# KiCad board poly_kb_molecule_16x5.kicad_pcb (continued)
## Nets (continued)
/Keyboard/sheet605ED2EB/CS: J1.10 J1#2.10 J1#3.10 J1#4.10 J1#5.10 J1#6.10 J1#7.10 J1#8.10 J1#9.10 J1#10.10 J1#11.10 J1#12.10 J1#13.10 J1#14.10 J1#15.10 J1#16.10 J1#17.10 J1#18.10 J1#19.10 J1#20.10 J1#21.10 J1#22.10 J1#23.10 J1#24.10 J1#25.10 J1#26.10 J1#27.10 J1#28.10 J1#29.10 J1#30.10 J1#31.10 J1#32.10 J1#33.10 J1#34.10 J1#35.10 J1#36.10 J1#37.10 J1#38.10 J1#39.10 J1#40.10 J1#41.10 J1#42.10 J1#43.10 J1#44.10 J1#45.10 J1#46.10 J1#47.10 J1#48.10 J1#49.10 J1#50.10 J1#51.10 J1#52.10 J1#53.10 J1#54.10 J1#55.10 J1#56.10 J1#57.10 J1#58.10 J1#59.10 J1#60.10 J1#61.10 J1#62.10 J1#63.10 J1#64.10 J1#65.10 J1#66.10 J1#67.10 J1#68.10 J1#69.10 J1#70.10 J1#71.10 J1#72.10 J1#73.10 J1#74.10 J1#75.10 J1#76.10 J1#77.10 J1#78.10 J1#79.10 J1#80.10 J5.10 J5#2.10 J5#3.10 J5#4.10 J5#5.10 J5#6.10 J5#7.10 J5#8.10 J5#9.10 J5#10.10 J5#11.10 J5#12.10 J5#13.10 J5#14.10 J5#15.10 J5#16.10 J5#17.10 J5#18.10 J5#19.10 J5#20.10 J5#21.10 J5#22.10 J5#23.10 J5#24.10 J5#25.10 J5#26.10 J5#27.10 J5#28.10 J5#29.10 J5#30.10 J5#31.10 J5#32.10 J5#33.10 J5#34.10 J5#35.10 J5#36.10 J5#37.10 J5#38.10 J5#39.10 J5#40.10 J5#41.10 J5#42.10 J5#43.10 J5#44.10 J5#45.10 J5#46.10 J5#47.10 J5#48.10 J5#49.10 J5#50.10 J5#51.10 J5#52.10 J5#53.10 J5#54.10 J5#55.10 J5#56.10 J5#57.10 J5#58.10 J5#59.10 J5#60.10 J5#61.10 J5#62.10 J5#63.10 J5#64.10 J5#65.10 J5#66.10 J5#67.10 J5#68.10 J5#69.10 J5#70.10 J5#71.10 J5#72.10 J5#73.10 J5#74.10 J5#75.10 J5#76.10 J5#77.10 J5#78.10 J5#79.10 J5#80.10 R1.2 R1#2.2 R1#3.2 R1#4.2 R1#5.2 R1#6.2 R1#7.2 R1#8.2 R1#9.2 R1#10.2 R1#11.2 R1#12.2 R1#13.2 R1#14.2 R1#15.2 R1#16.2 R1#17.2 R1#18.2 R1#19.2 R1#20.2 R1#21.2 R1#22.2 R1#23.2 R1#24.2 R1#25.2 R1#26.2 R1#27.2 R1#28.2 R1#29.2 R1#30.2 R1#31.2 R1#32.2 R1#33.2 R1#34.2 R1#35.2 R1#36.2 R1#37.2 R1#38.2 R1#39.2 R1#40.2 R1#41.2 R1#42.2 R1#43.2 R1#44.2 R1#45.2 R1#46.2 R1#47.2 R1#48.2 R1#49.2 R1#50.2 R1#51.2 R1#52.2 R1#53.2 R1#54.2 R1#55.2 R1#56.2 R1#57.2 R1#58.2 R1#59.2 R1#60.2 R1#61.2 R1#62.2 R1#63.2 R1#64.2 R1#65.2 R1#66.2 R1#67.2 R1#68.2 R1#69.2 R1#70.2 R1#71.2 R1#72.2 R1#73.2 R1#74.2 R1#75.2 R1#76.2 R1#77.2 R1#78.2 R1#79.2 R1#80.2
/Keyboard/sheet605ED2EB/D-C: J1.12 J1#2.12 J1#3.12 J1#4.12 J1#5.12 J1#6.12 J1#7.12 J1#8.12 J1#9.12 J1#10.12 J1#11.12 J1#12.12 J1#13.12 J1#14.12 J1#15.12 J1#16.12 J1#17.12 J1#18.12 J1#19.12 J1#20.12 J1#21.12 J1#22.12 J1#23.12 J1#24.12 J1#25.12 J1#26.12 J1#27.12 J1#28.12 J1#29.12 J1#30.12 J1#31.12 J1#32.12 J1#33.12 J1#34.12 J1#35.12 J1#36.12 J1#37.12 J1#38.12 J1#39.12 J1#40.12 J1#41.12 J1#42.12 J1#43.12 J1#44.12 J1#45.12 J1#46.12 J1#47.12 J1#48.12 J1#49.12 J1#50.12 J1#51.12 J1#52.12 J1#53.12 J1#54.12 J1#55.12 J1#56.12 J1#57.12 J1#58.12 J1#59.12 J1#60.12 J1#61.12 J1#62.12 J1#63.12 J1#64.12 J1#65.12 J1#66.12 J1#67.12 J1#68.12 J1#69.12 J1#70.12 J1#71.12 J1#72.12 J1#73.12 J1#74.12 J1#75.12 J1#76.12 J1#77.12 J1#78.12 J1#79.12 J1#80.12 J3.7 J3#2.7 J3#3.7 J3#4.7 J3#5.7 J3#6.7 J3#7.7 J3#8.7 J3#9.7 J3#10.7 J3#11.7 J3#12.7 J3#13.7 J3#14.7 J3#15.7 J3#16.7 J3#17.7 J3#18.7 J3#19.7 J3#20.7 J3#21.7 J3#22.7 J3#23.7 J3#24.7 J3#25.7 J3#26.7 J3#27.7 J3#28.7 J3#29.7 J3#30.7 J3#31.7 J3#32.7 J3#33.7 J3#34.7 J3#35.7 J3#36.7 J3#37.7 J3#38.7 J3#39.7 J3#40.7 J3#41.7 J3#42.7 J3#43.7 J3#44.7 J3#45.7 J3#46.7 J3#47.7 J3#48.7 J3#49.7 J3#50.7 J3#51.7 J3#52.7 J3#53.7 J3#54.7 J3#55.7 J3#56.7 J3#57.7 J3#58.7 J3#59.7 J3#60.7 J3#61.7 J3#62.7 J3#63.7 J3#64.7 J3#65.7 J3#66.7 J3#67.7 J3#68.7 J3#69.7 J3#70.7 J3#71.7 J3#72.7 J3#73.7 J3#74.7 J3#75.7 J3#76.7 J3#77.7 J3#78.7 J3#79.7 J3#80.7 J4.7 J4#2.7 J4#3.7 J4#4.7 J4#5.7 J4#6.7 J4#7.7 J4#8.7 J4#9.7 J4#10.7 J4#11.7 J4#12.7 J4#13.7 J4#14.7 J4#15.7 J4#16.7 J4#17.7 J4#18.7 J4#19.7 J4#20.7 J4#21.7 J4#22.7 J4#23.7 J4#24.7 J4#25.7 J4#26.7 J4#27.7 J4#28.7 J4#29.7 J4#30.7 J4#31.7 J4#32.7 J4#33.7 J4#34.7 J4#35.7 J4#36.7 J4#37.7 J4#38.7 J4#39.7 J4#40.7 J4#41.7 J4#42.7 J4#43.7 J4#44.7 J4#45.7 J4#46.7 J4#47.7 J4#48.7 J4#49.7 J4#50.7 J4#51.7 J4#52.7 J4#53.7 J4#54.7 J4#55.7 J4#56.7 J4#57.7 J4#58.7 J4#59.7 J4#60.7 J4#61.7 J4#62.7 J4#63.7 J4#64.7 J4#65.7 J4#66.7 J4#67.7 J4#68.7 J4#69.7 J4#70.7 J4#71.7 J4#72.7 J4#73.7 J4#74.7 J4#75.7 J4#76.7 J4#77.7 J4#78.7 J4#79.7 J4#80.7
/Keyboard/sheet605ED2EB/KeyCol: D1.1 D1#2.1 D1#3.1 D1#4.1 D1#5.1 D1#6.1 D1#7.1 D1#8.1 D1#9.1 D1#10.1 D1#11.1 D1#12.1 D1#13.1 D1#14.1 D1#15.1 D1#16.1 D1#17.1 D1#18.1 D1#19.1 D1#20.1 D1#21.1 D1#22.1 D1#23.1 D1#24.1 D1#25.1 D1#26.1 D1#27.1 D1#28.1 D1#29.1 D1#30.1 D1#31.1 D1#32.1 D1#33.1 D1#34.1 D1#35.1 D1#36.1 D1#37.1 D1#38.1 D1#39.1 D1#40.1 D1#41.1 D1#42.1 D1#43.1 D1#44.1 D1#45.1 D1#46.1 D1#47.1 D1#48.1 D1#49.1 D1#50.1 D1#51.1 D1#52.1 D1#53.1 D1#54.1 D1#55.1 D1#56.1 D1#57.1 D1#58.1 D1#59.1 D1#60.1 D1#61.1 D1#62.1 D1#63.1 D1#64.1 D1#65.1 D1#66.1 D1#67.1 D1#68.1 D1#69.1 D1#70.1 D1#71.1 D1#72.1 D1#73.1 D1#74.1 D1#75.1 D1#76.1 D1#77.1 D1#78.1 D1#79.1 D1#80.1 J2.1 J2#2.1 J2#3.1 J2#4.1 J2#5.1 J2#6.1 J2#7.1 J2#8.1 J2#9.1 J2#10.1 J2#11.1 J2#12.1 J2#13.1 J2#14.1 J2#15.1 J2#16.1 J7.1 J7#2.1 J7#3.1 J7#4.1 J7#5.1 J7#6.1 J7#7.1 J7#8.1 J7#9.1 J7#10.1 J7#11.1 J7#12.1 J7#13.1 J7#14.1 J7#15.1 J7#16.1 J8.1 J8#2.1 J8#3.1 J8#4.1 J8#5.1 J8#6.1 J8#7.1 J8#8.1 J8#9.1 J8#10.1 J8#11.1 J8#12.1 J8#13.1 J8#14.1 J8#15.1 J8#16.1 J9.1 J9#2.1 J9#3.1 J9#4.1 J9#5.1 J9#6.1 J9#7.1 J9#8.1 J9#9.1 J9#10.1 J9#11.1 J9#12.1 J9#13.1 J9#14.1 J9#15.1 J9#16.1
/Keyboard/sheet605ED2EB/KeyRow: J3.9 J3#2.9 J3#3.9 J3#4.9 J3#5.9 J3#6.9 J3#7.9 J3#8.9 J3#9.9 J3#10.9 J3#11.9 J3#12.9 J3#13.9 J3#14.9 J3#15.9 J3#16.9 J3#17.9 J3#18.9 J3#19.9 J3#20.9 J3#21.9 J3#22.9 J3#23.9 J3#24.9 J3#25.9 J3#26.9 J3#27.9 J3#28.9 J3#29.9 J3#30.9 J3#31.9 J3#32.9 J3#33.9 J3#34.9 J3#35.9 J3#36.9 J3#37.9 J3#38.9 J3#39.9 J3#40.9 J3#41.9 J3#42.9 J3#43.9 J3#44.9 J3#45.9 J3#46.9 J3#47.9 J3#48.9 J3#49.9 J3#50.9 J3#51.9 J3#52.9 J3#53.9 J3#54.9 J3#55.9 J3#56.9 J3#57.9 J3#58.9 J3#59.9 J3#60.9 J3#61.9 J3#62.9 J3#63.9 J3#64.9 J3#65.9 J3#66.9 J3#67.9 J3#68.9 J3#69.9 J3#70.9 J3#71.9 J3#72.9 J3#73.9 J3#74.9 J3#75.9 J3#76.9 J3#77.9 J3#78.9 J3#79.9 J3#80.9 J4.9 J4#2.9 J4#3.9 J4#4.9 J4#5.9 J4#6.9 J4#7.9 J4#8.9 J4#9.9 J4#10.9 J4#11.9 J4#12.9 J4#13.9 J4#14.9 J4#15.9 J4#16.9 J4#17.9 J4#18.9 J4#19.9 J4#20.9 J4#21.9 J4#22.9 J4#23.9 J4#24.9 J4#25.9 J4#26.9 J4#27.9 J4#28.9 J4#29.9 J4#30.9 J4#31.9 J4#32.9 J4#33.9 J4#34.9 J4#35.9 J4#36.9 J4#37.9 J4#38.9 J4#39.9 J4#40.9 J4#41.9 J4#42.9 J4#43.9 J4#44.9 J4#45.9 J4#46.9 J4#47.9 J4#48.9 J4#49.9 J4#50.9 J4#51.9 J4#52.9 J4#53.9 J4#54.9 J4#55.9 J4#56.9 J4#57.9 J4#58.9 J4#59.9 J4#60.9 J4#61.9 J4#62.9 J4#63.9 J4#64.9 J4#65.9 J4#66.9 J4#67.9 J4#68.9 J4#69.9 J4#70.9 J4#71.9 J4#72.9 J4#73.9 J4#74.9 J4#75.9 J4#76.9 J4#77.9 J4#78.9 J4#79.9 J4#80.9 SW1.1 SW1#2.1 SW1#3.1 SW1#4.1 SW1#5.1 SW1#6.1 SW1#7.1 SW1#8.1 SW1#9.1 SW1#10.1 SW1#11.1 SW1#12.1 SW1#13.1 SW1#14.1 SW1#15.1 SW1#16.1 SW1#17.1 SW1#18.1 SW1#19.1 SW1#20.1 SW1#21.1 SW1#22.1 SW1#23.1 SW1#24.1 SW1#25.1 SW1#26.1 SW1#27.1 SW1#28.1 SW1#29.1 SW1#30.1 SW1#31.1 SW1#32.1 SW1#33.1 SW1#34.1 SW1#35.1 SW1#36.1 SW1#37.1 SW1#38.1 SW1#39.1 SW1#40.1 SW1#41.1 SW1#42.1 SW1#43.1 SW1#44.1 SW1#45.1 SW1#46.1 SW1#47.1 SW1#48.1 SW1#49.1 SW1#50.1 SW1#51.1 SW1#52.1 SW1#53.1 SW1#54.1 SW1#55.1 SW1#56.1 SW1#57.1 SW1#58.1 SW1#59.1 SW1#60.1 SW1#61.1 SW1#62.1 SW1#63.1 SW1#64.1 SW1#65.1 SW1#66.1 SW1#67.1 SW1#68.1 SW1#69.1 SW1#70.1 SW1#71.1 SW1#72.1 SW1#73.1 SW1#74.1 SW1#75.1 SW1#76.1 SW1#77.1 SW1#78.1 SW1#79.1 SW1#80.1
/Keyboard/sheet605ED2EB/LED_DIN: J3.4 J3#2.4 J3#3.4 J3#4.4 J3#5.4 J3#6.4 J3#7.4 J3#8.4 J3#9.4 J3#10.4 J3#11.4 J3#12.4 J3#13.4 J3#14.4 J3#15.4 J3#16.4 J3#17.4 J3#18.4 J3#19.4 J3#20.4 J3#21.4 J3#22.4 J3#23.4 J3#24.4 J3#25.4 J3#26.4 J3#27.4 J3#28.4 J3#29.4 J3#30.4 J3#31.4 J3#32.4 J3#33.4 J3#34.4 J3#35.4 J3#36.4 J3#37.4 J3#38.4 J3#39.4 J3#40.4 J3#41.4 J3#42.4 J3#43.4 J3#44.4 J3#45.4 J3#46.4 J3#47.4 J3#48.4 J3#49.4 J3#50.4 J3#51.4 J3#52.4 J3#53.4 J3#54.4 J3#55.4 J3#56.4 J3#57.4 J3#58.4 J3#59.4 J3#60.4 J3#61.4 J3#62.4 J3#63.4 J3#64.4 J3#65.4 J3#66.4 J3#67.4 J3#68.4 J3#69.4 J3#70.4 J3#71.4 J3#72.4 J3#73.4 J3#74.4 J3#75.4 J3#76.4 J3#77.4 J3#78.4 J3#79.4 J3#80.4 J4.4 J4#2.4 J4#3.4 J4#4.4 J4#5.4 J4#6.4 J4#7.4 J4#8.4 J4#9.4 J4#10.4 J4#11.4 J4#12.4 J4#13.4 J4#14.4 J4#15.4 J4#16.4 J4#17.4 J4#18.4 J4#19.4 J4#20.4 J4#21.4 J4#22.4 J4#23.4 J4#24.4 J4#25.4 J4#26.4 J4#27.4 J4#28.4 J4#29.4 J4#30.4 J4#31.4 J4#32.4 J4#33.4 J4#34.4 J4#35.4 J4#36.4 J4#37.4 J4#38.4 J4#39.4 J4#40.4 J4#41.4 J4#42.4 J4#43.4 J4#44.4 J4#45.4 J4#46.4 J4#47.4 J4#48.4 J4#49.4 J4#50.4 J4#51.4 J4#52.4 J4#53.4 J4#54.4 J4#55.4 J4#56.4 J4#57.4 J4#58.4 J4#59.4 J4#60.4 J4#61.4 J4#62.4 J4#63.4 J4#64.4 J4#65.4 J4#66.4 J4#67.4 J4#68.4 J4#69.4 J4#70.4 J4#71.4 J4#72.4 J4#73.4 J4#74.4 J4#75.4 J4#76.4 J4#77.4 J4#78.4 J4#79.4 J4#80.4 LED1.2 LED1.4 LED1#2.2 LED1#2.4 LED1#3.2 LED1#3.4 LED1#4.2 LED1#4.4 LED1#5.2 LED1#5.4 LED1#6.2 LED1#6.4 LED1#7.2 LED1#7.4 LED1#8.2 LED1#8.4 LED1#9.2 LED1#9.4 LED1#10.2 LED1#10.4 LED1#11.2 LED1#11.4 LED1#12.2 LED1#12.4 LED1#13.2 LED1#13.4 LED1#14.2 LED1#14.4 LED1#15.2 LED1#15.4 LED1#16.2 LED1#16.4 LED1#17.2 LED1#17.4 LED1#18.2 LED1#18.4 LED1#19.2 LED1#19.4 LED1#20.2 LED1#20.4 LED1#21.2 LED1#21.4 LED1#22.2 LED1#22.4 LED1#23.2 LED1#23.4 LED1#24.2 LED1#24.4 LED1#25.2 LED1#25.4 LED1#26.2 LED1#26.4 LED1#27.2 LED1#27.4 LED1#28.2 LED1#28.4 LED1#29.2 LED1#29.4 LED1#30.2 LED1#30.4 LED1#31.2 LED1#31.4 LED1#32.2 LED1#32.4 LED1#33.2 LED1#33.4 LED1#34.2 LED1#34.4 LED1#35.2 LED1#35.4 LED1#36.2 LED1#36.4 LED1#37.2 LED1#37.4 LED1#38.2 LED1#38.4 LED1#39.2 LED1#39.4 LED1#40.2 LED1#40.4 LED1#41.2 LED1#41.4 LED1#42.2 LED1#42.4 LED1#43.2 LED1#43.4 LED1#44.2 LED1#44.4 LED1#45.2 LED1#45.4 LED1#46.2 LED1#46.4 LED1#47.2 LED1#47.4 LED1#48.2 LED1#48.4 LED1#49.2 LED1#49.4 LED1#50.2 LED1#50.4 LED1#51.2 LED1#51.4 LED1#52.2 LED1#52.4 LED1#53.2 LED1#53.4 LED1#54.2 LED1#54.4 LED1#55.2 LED1#55.4 LED1#56.2 LED1#56.4 LED1#57.2 LED1#57.4 LED1#58.2 LED1#58.4 LED1#59.2 LED1#59.4 LED1#60.2 LED1#60.4 LED1#61.2 LED1#61.4 LED1#62.2 LED1#62.4 LED1#63.2 LED1#63.4 LED1#64.2 LED1#64.4 LED1#65.2 LED1#65.4 LED1#66.2 LED1#66.4 LED1#67.2 LED1#67.4 LED1#68.2 LED1#68.4 LED1#69.2 LED1#69.4 LED1#70.2 LED1#70.4 LED1#71.2 LED1#71.4 LED1#72.2 LED1#72.4 LED1#73.2 LED1#73.4 LED1#74.2 LED1#74.4 LED1#75.2 LED1#75.4 LED1#76.2 LED1#76.4 LED1#77.2 LED1#77.4 LED1#78.2 LED1#78.4 LED1#79.2 LED1#79.4 LED1#80.2 LED1#80.4
/Keyboard/sheet605ED2EB/RESET: J1.11 J1#2.11 J1#3.11 J1#4.11 J1#5.11 J1#6.11 J1#7.11 J1#8.11 J1#9.11 J1#10.11 J1#11.11 J1#12.11 J1#13.11 J1#14.11 J1#15.11 J1#16.11 J1#17.11 J1#18.11 J1#19.11 J1#20.11 J1#21.11 J1#22.11 J1#23.11 J1#24.11 J1#25.11 J1#26.11 J1#27.11 J1#28.11 J1#29.11 J1#30.11 J1#31.11 J1#32.11 J1#33.11 J1#34.11 J1#35.11 J1#36.11 J1#37.11 J1#38.11 J1#39.11 J1#40.11 J1#41.11 J1#42.11 J1#43.11 J1#44.11 J1#45.11 J1#46.11 J1#47.11 J1#48.11 J1#49.11 J1#50.11 J1#51.11 J1#52.11 J1#53.11 J1#54.11 J1#55.11 J1#56.11 J1#57.11 J1#58.11 J1#59.11 J1#60.11 J1#61.11 J1#62.11 J1#63.11 J1#64.11 J1#65.11 J1#66.11 J1#67.11 J1#68.11 J1#69.11 J1#70.11 J1#71.11 J1#72.11 J1#73.11 J1#74.11 J1#75.11 J1#76.11 J1#77.11 J1#78.11 J1#79.11 J1#80.11 J3.5 J3#2.5 J3#3.5 J3#4.5 J3#5.5 J3#6.5 J3#7.5 J3#8.5 J3#9.5 J3#10.5 J3#11.5 J3#12.5 J3#13.5 J3#14.5 J3#15.5 J3#16.5 J3#17.5 J3#18.5 J3#19.5 J3#20.5 J3#21.5 J3#22.5 J3#23.5 J3#24.5 J3#25.5 J3#26.5 J3#27.5 J3#28.5 J3#29.5 J3#30.5 J3#31.5 J3#32.5 J3#33.5 J3#34.5 J3#35.5 J3#36.5 J3#37.5 J3#38.5 J3#39.5 J3#40.5 J3#41.5 J3#42.5 J3#43.5 J3#44.5 J3#45.5 J3#46.5 J3#47.5 J3#48.5 J3#49.5 J3#50.5 J3#51.5 J3#52.5 J3#53.5 J3#54.5 J3#55.5 J3#56.5 J3#57.5 J3#58.5 J3#59.5 J3#60.5 J3#61.5 J3#62.5 J3#63.5 J3#64.5 J3#65.5 J3#66.5 J3#67.5 J3#68.5 J3#69.5 J3#70.5 J3#71.5 J3#72.5 J3#73.5 J3#74.5 J3#75.5 J3#76.5 J3#77.5 J3#78.5 J3#79.5 J3#80.5 J4.5 J4#2.5 J4#3.5 J4#4.5 J4#5.5 J4#6.5 J4#7.5 J4#8.5 J4#9.5 J4#10.5 J4#11.5 J4#12.5 J4#13.5 J4#14.5 J4#15.5 J4#16.5 J4#17.5 J4#18.5 J4#19.5 J4#20.5 J4#21.5 J4#22.5 J4#23.5 J4#24.5 J4#25.5 J4#26.5 J4#27.5 J4#28.5 J4#29.5 J4#30.5 J4#31.5 J4#32.5 J4#33.5 J4#34.5 J4#35.5 J4#36.5 J4#37.5 J4#38.5 J4#39.5 J4#40.5 J4#41.5 J4#42.5 J4#43.5 J4#44.5 J4#45.5 J4#46.5 J4#47.5 J4#48.5 J4#49.5 J4#50.5 J4#51.5 J4#52.5 J4#53.5 J4#54.5 J4#55.5 J4#56.5 J4#57.5 J4#58.5 J4#59.5 J4#60.5 J4#61.5 J4#62.5 J4#63.5 J4#64.5 J4#65.5 J4#66.5 J4#67.5 J4#68.5 J4#69.5 J4#70.5 J4#71.5 J4#72.5 J4#73.5 J4#74.5 J4#75.5 J4#76.5 J4#77.5 J4#78.5 J4#79.5 J4#80.5
/Keyboard/sheet605ED2EB/SCLK: J1.13 J1#2.13 J1#3.13 J1#4.13 J1#5.13 J1#6.13 J1#7.13 J1#8.13 J1#9.13 J1#10.13 J1#11.13 J1#12.13 J1#13.13 J1#14.13 J1#15.13 J1#16.13 J1#17.13 J1#18.13 J1#19.13 J1#20.13 J1#21.13 J1#22.13 J1#23.13 J1#24.13 J1#25.13 J1#26.13 J1#27.13 J1#28.13 J1#29.13 J1#30.13 J1#31.13 J1#32.13 J1#33.13 J1#34.13 J1#35.13 J1#36.13 J1#37.13 J1#38.13 J1#39.13 J1#40.13 J1#41.13 J1#42.13 J1#43.13 J1#44.13 J1#45.13 J1#46.13 J1#47.13 J1#48.13 J1#49.13 J1#50.13 J1#51.13 J1#52.13 J1#53.13 J1#54.13 J1#55.13 J1#56.13 J1#57.13 J1#58.13 J1#59.13 J1#60.13 J1#61.13 J1#62.13 J1#63.13 J1#64.13 J1#65.13 J1#66.13 J1#67.13 J1#68.13 J1#69.13 J1#70.13 J1#71.13 J1#72.13 J1#73.13 J1#74.13 J1#75.13 J1#76.13 J1#77.13 J1#78.13 J1#79.13 J1#80.13 J3.8 J3#2.8 J3#3.8 J3#4.8 J3#5.8 J3#6.8 J3#7.8 J3#8.8 J3#9.8 J3#10.8 J3#11.8 J3#12.8 J3#13.8 J3#14.8 J3#15.8 J3#16.8 J3#17.8 J3#18.8 J3#19.8 J3#20.8 J3#21.8 J3#22.8 J3#23.8 J3#24.8 J3#25.8 J3#26.8 J3#27.8 J3#28.8 J3#29.8 J3#30.8 J3#31.8 J3#32.8 J3#33.8 J3#34.8 J3#35.8 J3#36.8 J3#37.8 J3#38.8 J3#39.8 J3#40.8 J3#41.8 J3#42.8 J3#43.8 J3#44.8 J3#45.8 J3#46.8 J3#47.8 J3#48.8 J3#49.8 J3#50.8 J3#51.8 J3#52.8 J3#53.8 J3#54.8 J3#55.8 J3#56.8 J3#57.8 J3#58.8 J3#59.8 J3#60.8 J3#61.8 J3#62.8 J3#63.8 J3#64.8 J3#65.8 J3#66.8 J3#67.8 J3#68.8 J3#69.8 J3#70.8 J3#71.8 J3#72.8 J3#73.8 J3#74.8 J3#75.8 J3#76.8 J3#77.8 J3#78.8 J3#79.8 J3#80.8 J4.8 J4#2.8 J4#3.8 J4#4.8 J4#5.8 J4#6.8 J4#7.8 J4#8.8 J4#9.8 J4#10.8 J4#11.8 J4#12.8 J4#13.8 J4#14.8 J4#15.8 J4#16.8 J4#17.8 J4#18.8 J4#19.8 J4#20.8 J4#21.8 J4#22.8 J4#23.8 J4#24.8 J4#25.8 J4#26.8 J4#27.8 J4#28.8 J4#29.8 J4#30.8 J4#31.8 J4#32.8 J4#33.8 J4#34.8 J4#35.8 J4#36.8 J4#37.8 J4#38.8 J4#39.8 J4#40.8 J4#41.8 J4#42.8 J4#43.8 J4#44.8 J4#45.8 J4#46.8 J4#47.8 J4#48.8 J4#49.8 J4#50.8 J4#51.8 J4#52.8 J4#53.8 J4#54.8 J4#55.8 J4#56.8 J4#57.8 J4#58.8 J4#59.8 J4#60.8 J4#61.8 J4#62.8 J4#63.8 J4#64.8 J4#65.8 J4#66.8 J4#67.8 J4#68.8 J4#69.8 J4#70.8 J4#71.8 J4#72.8 J4#73.8 J4#74.8 J4#75.8 J4#76.8 J4#77.8 J4#78.8 J4#79.8 J4#80.8
/Keyboard/sheet605ED2EB/SDIN: J1.14 J1#2.14 J1#3.14 J1#4.14 J1#5.14 J1#6.14 J1#7.14 J1#8.14 J1#9.14 J1#10.14 J1#11.14 J1#12.14 J1#13.14 J1#14.14 J1#15.14 J1#16.14 J1#17.14 J1#18.14 J1#19.14 J1#20.14 J1#21.14 J1#22.14 J1#23.14 J1#24.14 J1#25.14 J1#26.14 J1#27.14 J1#28.14 J1#29.14 J1#30.14 J1#31.14 J1#32.14 J1#33.14 J1#34.14 J1#35.14 J1#36.14 J1#37.14 J1#38.14 J1#39.14 J1#40.14 J1#41.14 J1#42.14 J1#43.14 J1#44.14 J1#45.14 J1#46.14 J1#47.14 J1#48.14 J1#49.14 J1#50.14 J1#51.14 J1#52.14 J1#53.14 J1#54.14 J1#55.14 J1#56.14 J1#57.14 J1#58.14 J1#59.14 J1#60.14 J1#61.14 J1#62.14 J1#63.14 J1#64.14 J1#65.14 J1#66.14 J1#67.14 J1#68.14 J1#69.14 J1#70.14 J1#71.14 J1#72.14 J1#73.14 J1#74.14 J1#75.14 J1#76.14 J1#77.14 J1#78.14 J1#79.14 J1#80.14 J3.6 J3#2.6 J3#3.6 J3#4.6 J3#5.6 J3#6.6 J3#7.6 J3#8.6 J3#9.6 J3#10.6 J3#11.6 J3#12.6 J3#13.6 J3#14.6 J3#15.6 J3#16.6 J3#17.6 J3#18.6 J3#19.6 J3#20.6 J3#21.6 J3#22.6 J3#23.6 J3#24.6 J3#25.6 J3#26.6 J3#27.6 J3#28.6 J3#29.6 J3#30.6 J3#31.6 J3#32.6 J3#33.6 J3#34.6 J3#35.6 J3#36.6 J3#37.6 J3#38.6 J3#39.6 J3#40.6 J3#41.6 J3#42.6 J3#43.6 J3#44.6 J3#45.6 J3#46.6 J3#47.6 J3#48.6 J3#49.6 J3#50.6 J3#51.6 J3#52.6 J3#53.6 J3#54.6 J3#55.6 J3#56.6 J3#57.6 J3#58.6 J3#59.6 J3#60.6 J3#61.6 J3#62.6 J3#63.6 J3#64.6 J3#65.6 J3#66.6 J3#67.6 J3#68.6 J3#69.6 J3#70.6 J3#71.6 J3#72.6 J3#73.6 J3#74.6 J3#75.6 J3#76.6 J3#77.6 J3#78.6 J3#79.6 J3#80.6 J4.6 J4#2.6 J4#3.6 J4#4.6 J4#5.6 J4#6.6 J4#7.6 J4#8.6 J4#9.6 J4#10.6 J4#11.6 J4#12.6 J4#13.6 J4#14.6 J4#15.6 J4#16.6 J4#17.6 J4#18.6 J4#19.6 J4#20.6 J4#21.6 J4#22.6 J4#23.6 J4#24.6 J4#25.6 J4#26.6 J4#27.6 J4#28.6 J4#29.6 J4#30.6 J4#31.6 J4#32.6 J4#33.6 J4#34.6 J4#35.6 J4#36.6 J4#37.6 J4#38.6 J4#39.6 J4#40.6 J4#41.6 J4#42.6 J4#43.6 J4#44.6 J4#45.6 J4#46.6 J4#47.6 J4#48.6 J4#49.6 J4#50.6 J4#51.6 J4#52.6 J4#53.6 J4#54.6 J4#55.6 J4#56.6 J4#57.6 J4#58.6 J4#59.6 J4#60.6 J4#61.6 J4#62.6 J4#63.6 J4#64.6 J4#65.6 J4#66.6 J4#67.6 J4#68.6 J4#69.6 J4#70.6 J4#71.6 J4#72.6 J4#73.6 J4#74.6 J4#75.6 J4#76.6 J4#77.6 J4#78.6 J4#79.6 J4#80.6
CS1: J5.2 J5#2.2 J5#3.2 J5#4.2 J5#5.2 J5#6.2 J5#7.2 J5#8.2 J5#9.2 J5#10.2 J5#11.2 J5#12.2 J5#13.2 J5#14.2 J5#15.2 J5#16.2 J5#17.2 J5#18.2 J5#19.2 J5#20.2 J5#21.2 J5#22.2 J5#23.2 J5#24.2 J5#25.2 J5#26.2 J5#27.2 J5#28.2 J5#29.2 J5#30.2 J5#31.2 J5#32.2 J5#33.2 J5#34.2 J5#35.2 J5#36.2 J5#37.2 J5#38.2 J5#39.2 J5#40.2 J5#41.2 J5#42.2 J5#43.2 J5#44.2 J5#45.2 J5#46.2 J5#47.2 J5#48.2 J5#49.2 J5#50.2 J5#51.2 J5#52.2 J5#53.2 J5#54.2 J5#55.2 J5#56.2 J5#57.2 J5#58.2 J5#59.2 J5#60.2 J5#61.2 J5#62.2 J5#63.2 J5#64.2 J5#65.2 J5#66.2 J5#67.2 J5#68.2 J5#69.2 J5#70.2 J5#71.2 J5#72.2 J5#73.2 J5#74.2 J5#75.2 J5#76.2 J5#77.2 J5#78.2 J5#79.2 J5#80.2 J6.2 J6#2.2 J6#3.2 J6#4.2 J6#5.2 J6#6.2 J6#7.2 J6#8.2 J6#9.2 J6#10.2 J6#11.2 J6#12.2 J6#13.2 J6#14.2 J6#15.2 J6#16.2 J6#17.2 J6#18.2 J6#19.2 J6#20.2 J6#21.2 J6#22.2 J6#23.2 J6#24.2 J6#25.2 J6#26.2 J6#27.2 J6#28.2 J6#29.2 J6#30.2 J6#31.2 J6#32.2 J6#33.2 J6#34.2 J6#35.2 J6#36.2 J6#37.2 J6#38.2 J6#39.2 J6#40.2 J6#41.2 J6#42.2 J6#43.2 J6#44.2 J6#45.2 J6#46.2 J6#47.2 J6#48.2 J6#49.2 J6#50.2 J6#51.2 J6#52.2 J6#53.2 J6#54.2 J6#55.2 J6#56.2 J6#57.2 J6#58.2 J6#59.2 J6#60.2 J6#61.2 J6#62.2 J6#63.2 J6#64.2 J6#65.2 J6#66.2 J6#67.2 J6#68.2 J6#69.2 J6#70.2 J6#71.2 J6#72.2 J6#73.2 J6#74.2 J6#75.2
CS2: J5.3 J5#2.3 J5#3.3 J5#4.3 J5#5.3 J5#6.3 J5#7.3 J5#8.3 J5#9.3 J5#10.3 J5#11.3 J5#12.3 J5#13.3 J5#14.3 J5#15.3 J5#16.3 J5#17.3 J5#18.3 J5#19.3 J5#20.3 J5#21.3 J5#22.3 J5#23.3 J5#24.3 J5#25.3 J5#26.3 J5#27.3 J5#28.3 J5#29.3 J5#30.3 J5#31.3 J5#32.3 J5#33.3 J5#34.3 J5#35.3 J5#36.3 J5#37.3 J5#38.3 J5#39.3 J5#40.3 J5#41.3 J5#42.3 J5#43.3 J5#44.3 J5#45.3 J5#46.3 J5#47.3 J5#48.3 J5#49.3 J5#50.3 J5#51.3 J5#52.3 J5#53.3 J5#54.3 J5#55.3 J5#56.3 J5#57.3 J5#58.3 J5#59.3 J5#60.3 J5#61.3 J5#62.3 J5#63.3 J5#64.3 J5#65.3 J5#66.3 J5#67.3 J5#68.3 J5#69.3 J5#70.3 J5#71.3 J5#72.3 J5#73.3 J5#74.3 J5#75.3 J5#76.3 J5#77.3 J5#78.3 J5#79.3 J5#80.3 J6.3 J6#2.3 J6#3.3 J6#4.3 J6#5.3 J6#6.3 J6#7.3 J6#8.3 J6#9.3 J6#10.3 J6#11.3 J6#12.3 J6#13.3 J6#14.3 J6#15.3 J6#16.3 J6#17.3 J6#18.3 J6#19.3 J6#20.3 J6#21.3 J6#22.3 J6#23.3 J6#24.3 J6#25.3 J6#26.3 J6#27.3 J6#28.3 J6#29.3 J6#30.3 J6#31.3 J6#32.3 J6#33.3 J6#34.3 J6#35.3 J6#36.3 J6#37.3 J6#38.3 J6#39.3 J6#40.3 J6#41.3 J6#42.3 J6#43.3 J6#44.3 J6#45.3 J6#46.3 J6#47.3 J6#48.3 J6#49.3 J6#50.3 J6#51.3 J6#52.3 J6#53.3 J6#54.3 J6#55.3 J6#56.3 J6#57.3 J6#58.3 J6#59.3 J6#60.3 J6#61.3 J6#62.3 J6#63.3 J6#64.3 J6#65.3 J6#66.3 J6#67.3 J6#68.3 J6#69.3 J6#70.3 J6#71.3 J6#72.3 J6#73.3 J6#74.3 J6#75.3
CS3: J5.4 J5#2.4 J5#3.4 J5#4.4 J5#5.4 J5#6.4 J5#7.4 J5#8.4 J5#9.4 J5#10.4 J5#11.4 J5#12.4 J5#13.4 J5#14.4 J5#15.4 J5#16.4 J5#17.4 J5#18.4 J5#19.4 J5#20.4 J5#21.4 J5#22.4 J5#23.4 J5#24.4 J5#25.4 J5#26.4 J5#27.4 J5#28.4 J5#29.4 J5#30.4 J5#31.4 J5#32.4 J5#33.4 J5#34.4 J5#35.4 J5#36.4 J5#37.4 J5#38.4 J5#39.4 J5#40.4 J5#41.4 J5#42.4 J5#43.4 J5#44.4 J5#45.4 J5#46.4 J5#47.4 J5#48.4 J5#49.4 J5#50.4 J5#51.4 J5#52.4 J5#53.4 J5#54.4 J5#55.4 J5#56.4 J5#57.4 J5#58.4 J5#59.4 J5#60.4 J5#61.4 J5#62.4 J5#63.4 J5#64.4 J5#65.4 J5#66.4 J5#67.4 J5#68.4 J5#69.4 J5#70.4 J5#71.4 J5#72.4 J5#73.4 J5#74.4 J5#75.4 J5#76.4 J5#77.4 J5#78.4 J5#79.4 J5#80.4 J6.4 J6#2.4 J6#3.4 J6#4.4 J6#5.4 J6#6.4 J6#7.4 J6#8.4 J6#9.4 J6#10.4 J6#11.4 J6#12.4 J6#13.4 J6#14.4 J6#15.4 J6#16.4 J6#17.4 J6#18.4 J6#19.4 J6#20.4 J6#21.4 J6#22.4 J6#23.4 J6#24.4 J6#25.4 J6#26.4 J6#27.4 J6#28.4 J6#29.4 J6#30.4 J6#31.4 J6#32.4 J6#33.4 J6#34.4 J6#35.4 J6#36.4 J6#37.4 J6#38.4 J6#39.4 J6#40.4 J6#41.4 J6#42.4 J6#43.4 J6#44.4 J6#45.4 J6#46.4 J6#47.4 J6#48.4 J6#49.4 J6#50.4 J6#51.4 J6#52.4 J6#53.4 J6#54.4 J6#55.4 J6#56.4 J6#57.4 J6#58.4 J6#59.4 J6#60.4 J6#61.4 J6#62.4 J6#63.4 J6#64.4 J6#65.4 J6#66.4 J6#67.4 J6#68.4 J6#69.4 J6#70.4 J6#71.4 J6#72.4 J6#73.4 J6#74.4 J6#75.4
CS4: J5.5 J5#2.5 J5#3.5 J5#4.5 J5#5.5 J5#6.5 J5#7.5 J5#8.5 J5#9.5 J5#10.5 J5#11.5 J5#12.5 J5#13.5 J5#14.5 J5#15.5 J5#16.5 J5#17.5 J5#18.5 J5#19.5 J5#20.5 J5#21.5 J5#22.5 J5#23.5 J5#24.5 J5#25.5 J5#26.5 J5#27.5 J5#28.5 J5#29.5 J5#30.5 J5#31.5 J5#32.5 J5#33.5 J5#34.5 J5#35.5 J5#36.5 J5#37.5 J5#38.5 J5#39.5 J5#40.5 J5#41.5 J5#42.5 J5#43.5 J5#44.5 J5#45.5 J5#46.5 J5#47.5 J5#48.5 J5#49.5 J5#50.5 J5#51.5 J5#52.5 J5#53.5 J5#54.5 J5#55.5 J5#56.5 J5#57.5 J5#58.5 J5#59.5 J5#60.5 J5#61.5 J5#62.5 J5#63.5 J5#64.5 J5#65.5 J5#66.5 J5#67.5 J5#68.5 J5#69.5 J5#70.5 J5#71.5 J5#72.5 J5#73.5 J5#74.5 J5#75.5 J5#76.5 J5#77.5 J5#78.5 J5#79.5 J5#80.5 J6.5 J6#2.5 J6#3.5 J6#4.5 J6#5.5 J6#6.5 J6#7.5 J6#8.5 J6#9.5 J6#10.5 J6#11.5 J6#12.5 J6#13.5 J6#14.5 J6#15.5 J6#16.5 J6#17.5 J6#18.5 J6#19.5 J6#20.5 J6#21.5 J6#22.5 J6#23.5 J6#24.5 J6#25.5 J6#26.5 J6#27.5 J6#28.5 J6#29.5 J6#30.5 J6#31.5 J6#32.5 J6#33.5 J6#34.5 J6#35.5 J6#36.5 J6#37.5 J6#38.5 J6#39.5 J6#40.5 J6#41.5 J6#42.5 J6#43.5 J6#44.5 J6#45.5 J6#46.5 J6#47.5 J6#48.5 J6#49.5 J6#50.5 J6#51.5 J6#52.5 J6#53.5 J6#54.5 J6#55.5 J6#56.5 J6#57.5 J6#58.5 J6#59.5 J6#60.5 J6#61.5 J6#62.5 J6#63.5 J6#64.5 J6#65.5 J6#66.5 J6#67.5 J6#68.5 J6#69.5 J6#70.5 J6#71.5 J6#72.5 J6#73.5 J6#74.5 J6#75.5
CS5: J5.6 J5#2.6 J5#3.6 J5#4.6 J5#5.6 J5#6.6 J5#7.6 J5#8.6 J5#9.6 J5#10.6 J5#11.6 J5#12.6 J5#13.6 J5#14.6 J5#15.6 J5#16.6 J5#17.6 J5#18.6 J5#19.6 J5#20.6 J5#21.6 J5#22.6 J5#23.6 J5#24.6 J5#25.6 J5#26.6 J5#27.6 J5#28.6 J5#29.6 J5#30.6 J5#31.6 J5#32.6 J5#33.6 J5#34.6 J5#35.6 J5#36.6 J5#37.6 J5#38.6 J5#39.6 J5#40.6 J5#41.6 J5#42.6 J5#43.6 J5#44.6 J5#45.6 J5#46.6 J5#47.6 J5#48.6 J5#49.6 J5#50.6 J5#51.6 J5#52.6 J5#53.6 J5#54.6 J5#55.6 J5#56.6 J5#57.6 J5#58.6 J5#59.6 J5#60.6 J5#61.6 J5#62.6 J5#63.6 J5#64.6 J5#65.6 J5#66.6 J5#67.6 J5#68.6 J5#69.6 J5#70.6 J5#71.6 J5#72.6 J5#73.6 J5#74.6 J5#75.6 J5#76.6 J5#77.6 J5#78.6 J5#79.6 J5#80.6 J6.6 J6#2.6 J6#3.6 J6#4.6 J6#5.6 J6#6.6 J6#7.6 J6#8.6 J6#9.6 J6#10.6 J6#11.6 J6#12.6 J6#13.6 J6#14.6 J6#15.6 J6#16.6 J6#17.6 J6#18.6 J6#19.6 J6#20.6 J6#21.6 J6#22.6 J6#23.6 J6#24.6 J6#25.6 J6#26.6 J6#27.6 J6#28.6 J6#29.6 J6#30.6 J6#31.6 J6#32.6 J6#33.6 J6#34.6 J6#35.6 J6#36.6 J6#37.6 J6#38.6 J6#39.6 J6#40.6 J6#41.6 J6#42.6 J6#43.6 J6#44.6 J6#45.6 J6#46.6 J6#47.6 J6#48.6 J6#49.6 J6#50.6 J6#51.6 J6#52.6 J6#53.6 J6#54.6 J6#55.6 J6#56.6 J6#57.6 J6#58.6 J6#59.6 J6#60.6 J6#61.6 J6#62.6 J6#63.6 J6#64.6 J6#65.6 J6#66.6 J6#67.6 J6#68.6 J6#69.6 J6#70.6 J6#71.6 J6#72.6 J6#73.6 J6#74.6 J6#75.6
CS6: J5.7 J5#2.7 J5#3.7 J5#4.7 J5#5.7 J5#6.7 J5#7.7 J5#8.7 J5#9.7 J5#10.7 J5#11.7 J5#12.7 J5#13.7 J5#14.7 J5#15.7 J5#16.7 J5#17.7 J5#18.7 J5#19.7 J5#20.7 J5#21.7 J5#22.7 J5#23.7 J5#24.7 J5#25.7 J5#26.7 J5#27.7 J5#28.7 J5#29.7 J5#30.7 J5#31.7 J5#32.7 J5#33.7 J5#34.7 J5#35.7 J5#36.7 J5#37.7 J5#38.7 J5#39.7 J5#40.7 J5#41.7 J5#42.7 J5#43.7 J5#44.7 J5#45.7 J5#46.7 J5#47.7 J5#48.7 J5#49.7 J5#50.7 J5#51.7 J5#52.7 J5#53.7 J5#54.7 J5#55.7 J5#56.7 J5#57.7 J5#58.7 J5#59.7 J5#60.7 J5#61.7 J5#62.7 J5#63.7 J5#64.7 J5#65.7 J5#66.7 J5#67.7 J5#68.7 J5#69.7 J5#70.7 J5#71.7 J5#72.7 J5#73.7 J5#74.7 J5#75.7 J5#76.7 J5#77.7 J5#78.7 J5#79.7 J5#80.7 J6.7 J6#2.7 J6#3.7 J6#4.7 J6#5.7 J6#6.7 J6#7.7 J6#8.7 J6#9.7 J6#10.7 J6#11.7 J6#12.7 J6#13.7 J6#14.7 J6#15.7 J6#16.7 J6#17.7 J6#18.7 J6#19.7 J6#20.7 J6#21.7 J6#22.7 J6#23.7 J6#24.7 J6#25.7 J6#26.7 J6#27.7 J6#28.7 J6#29.7 J6#30.7 J6#31.7 J6#32.7 J6#33.7 J6#34.7 J6#35.7 J6#36.7 J6#37.7 J6#38.7 J6#39.7 J6#40.7 J6#41.7 J6#42.7 J6#43.7 J6#44.7 J6#45.7 J6#46.7 J6#47.7 J6#48.7 J6#49.7 J6#50.7 J6#51.7 J6#52.7 J6#53.7 J6#54.7 J6#55.7 J6#56.7 J6#57.7 J6#58.7 J6#59.7 J6#60.7 J6#61.7 J6#62.7 J6#63.7 J6#64.7 J6#65.7 J6#66.7 J6#67.7 J6#68.7 J6#69.7 J6#70.7 J6#71.7 J6#72.7 J6#73.7 J6#74.7 J6#75.7
CS7: J5.8 J5#2.8 J5#3.8 J5#4.8 J5#5.8 J5#6.8 J5#7.8 J5#8.8 J5#9.8 J5#10.8 J5#11.8 J5#12.8 J5#13.8 J5#14.8 J5#15.8 J5#16.8 J5#17.8 J5#18.8 J5#19.8 J5#20.8 J5#21.8 J5#22.8 J5#23.8 J5#24.8 J5#25.8 J5#26.8 J5#27.8 J5#28.8 J5#29.8 J5#30.8 J5#31.8 J5#32.8 J5#33.8 J5#34.8 J5#35.8 J5#36.8 J5#37.8 J5#38.8 J5#39.8 J5#40.8 J5#41.8 J5#42.8 J5#43.8 J5#44.8 J5#45.8 J5#46.8 J5#47.8 J5#48.8 J5#49.8 J5#50.8 J5#51.8 J5#52.8 J5#53.8 J5#54.8 J5#55.8 J5#56.8 J5#57.8 J5#58.8 J5#59.8 J5#60.8 J5#61.8 J5#62.8 J5#63.8 J5#64.8 J5#65.8 J5#66.8 J5#67.8 J5#68.8 J5#69.8 J5#70.8 J5#71.8 J5#72.8 J5#73.8 J5#74.8 J5#75.8 J5#76.8 J5#77.8 J5#78.8 J5#79.8 J5#80.8 J6.8 J6#2.8 J6#3.8 J6#4.8 J6#5.8 J6#6.8 J6#7.8 J6#8.8 J6#9.8 J6#10.8 J6#11.8 J6#12.8 J6#13.8 J6#14.8 J6#15.8 J6#16.8 J6#17.8 J6#18.8 J6#19.8 J6#20.8 J6#21.8 J6#22.8 J6#23.8 J6#24.8 J6#25.8 J6#26.8 J6#27.8 J6#28.8 J6#29.8 J6#30.8 J6#31.8 J6#32.8 J6#33.8 J6#34.8 J6#35.8 J6#36.8 J6#37.8 J6#38.8 J6#39.8 J6#40.8 J6#41.8 J6#42.8 J6#43.8 J6#44.8 J6#45.8 J6#46.8 J6#47.8 J6#48.8 J6#49.8 J6#50.8 J6#51.8 J6#52.8 J6#53.8 J6#54.8 J6#55.8 J6#56.8 J6#57.8 J6#58.8 J6#59.8 J6#60.8 J6#61.8 J6#62.8 J6#63.8 J6#64.8 J6#65.8 J6#66.8 J6#67.8 J6#68.8 J6#69.8 J6#70.8 J6#71.8 J6#72.8 J6#73.8 J6#74.8 J6#75.8
CS8: J5.9 J5#2.9 J5#3.9 J5#4.9 J5#5.9 J5#6.9 J5#7.9 J5#8.9 J5#9.9 J5#10.9 J5#11.9 J5#12.9 J5#13.9 J5#14.9 J5#15.9 J5#16.9 J5#17.9 J5#18.9 J5#19.9 J5#20.9 J5#21.9 J5#22.9 J5#23.9 J5#24.9 J5#25.9 J5#26.9 J5#27.9 J5#28.9 J5#29.9 J5#30.9 J5#31.9 J5#32.9 J5#33.9 J5#34.9 J5#35.9 J5#36.9 J5#37.9 J5#38.9 J5#39.9 J5#40.9 J5#41.9 J5#42.9 J5#43.9 J5#44.9 J5#45.9 J5#46.9 J5#47.9 J5#48.9 J5#49.9 J5#50.9 J5#51.9 J5#52.9 J5#53.9 J5#54.9 J5#55.9 J5#56.9 J5#57.9 J5#58.9 J5#59.9 J5#60.9 J5#61.9 J5#62.9 J5#63.9 J5#64.9 J5#65.9 J5#66.9 J5#67.9 J5#68.9 J5#69.9 J5#70.9 J5#71.9 J5#72.9 J5#73.9 J5#74.9 J5#75.9 J5#76.9 J5#77.9 J5#78.9 J5#79.9 J5#80.9 J6.9 J6#2.9 J6#3.9 J6#4.9 J6#5.9 J6#6.9 J6#7.9 J6#8.9 J6#9.9 J6#10.9 J6#11.9 J6#12.9 J6#13.9 J6#14.9 J6#15.9 J6#16.9 J6#17.9 J6#18.9 J6#19.9 J6#20.9 J6#21.9 J6#22.9 J6#23.9 J6#24.9 J6#25.9 J6#26.9 J6#27.9 J6#28.9 J6#29.9 J6#30.9 J6#31.9 J6#32.9 J6#33.9 J6#34.9 J6#35.9 J6#36.9 J6#37.9 J6#38.9 J6#39.9 J6#40.9 J6#41.9 J6#42.9 J6#43.9 J6#44.9 J6#45.9 J6#46.9 J6#47.9 J6#48.9 J6#49.9 J6#50.9 J6#51.9 J6#52.9 J6#53.9 J6#54.9 J6#55.9 J6#56.9 J6#57.9 J6#58.9 J6#59.9 J6#60.9 J6#61.9 J6#62.9 J6#63.9 J6#64.9 J6#65.9 J6#66.9 J6#67.9 J6#68.9 J6#69.9 J6#70.9 J6#71.9 J6#72.9 J6#73.9 J6#74.9 J6#75.9